# Altium PCB 0020-03_FFT2G.PcbDoc (part 1 of 16) (continued)
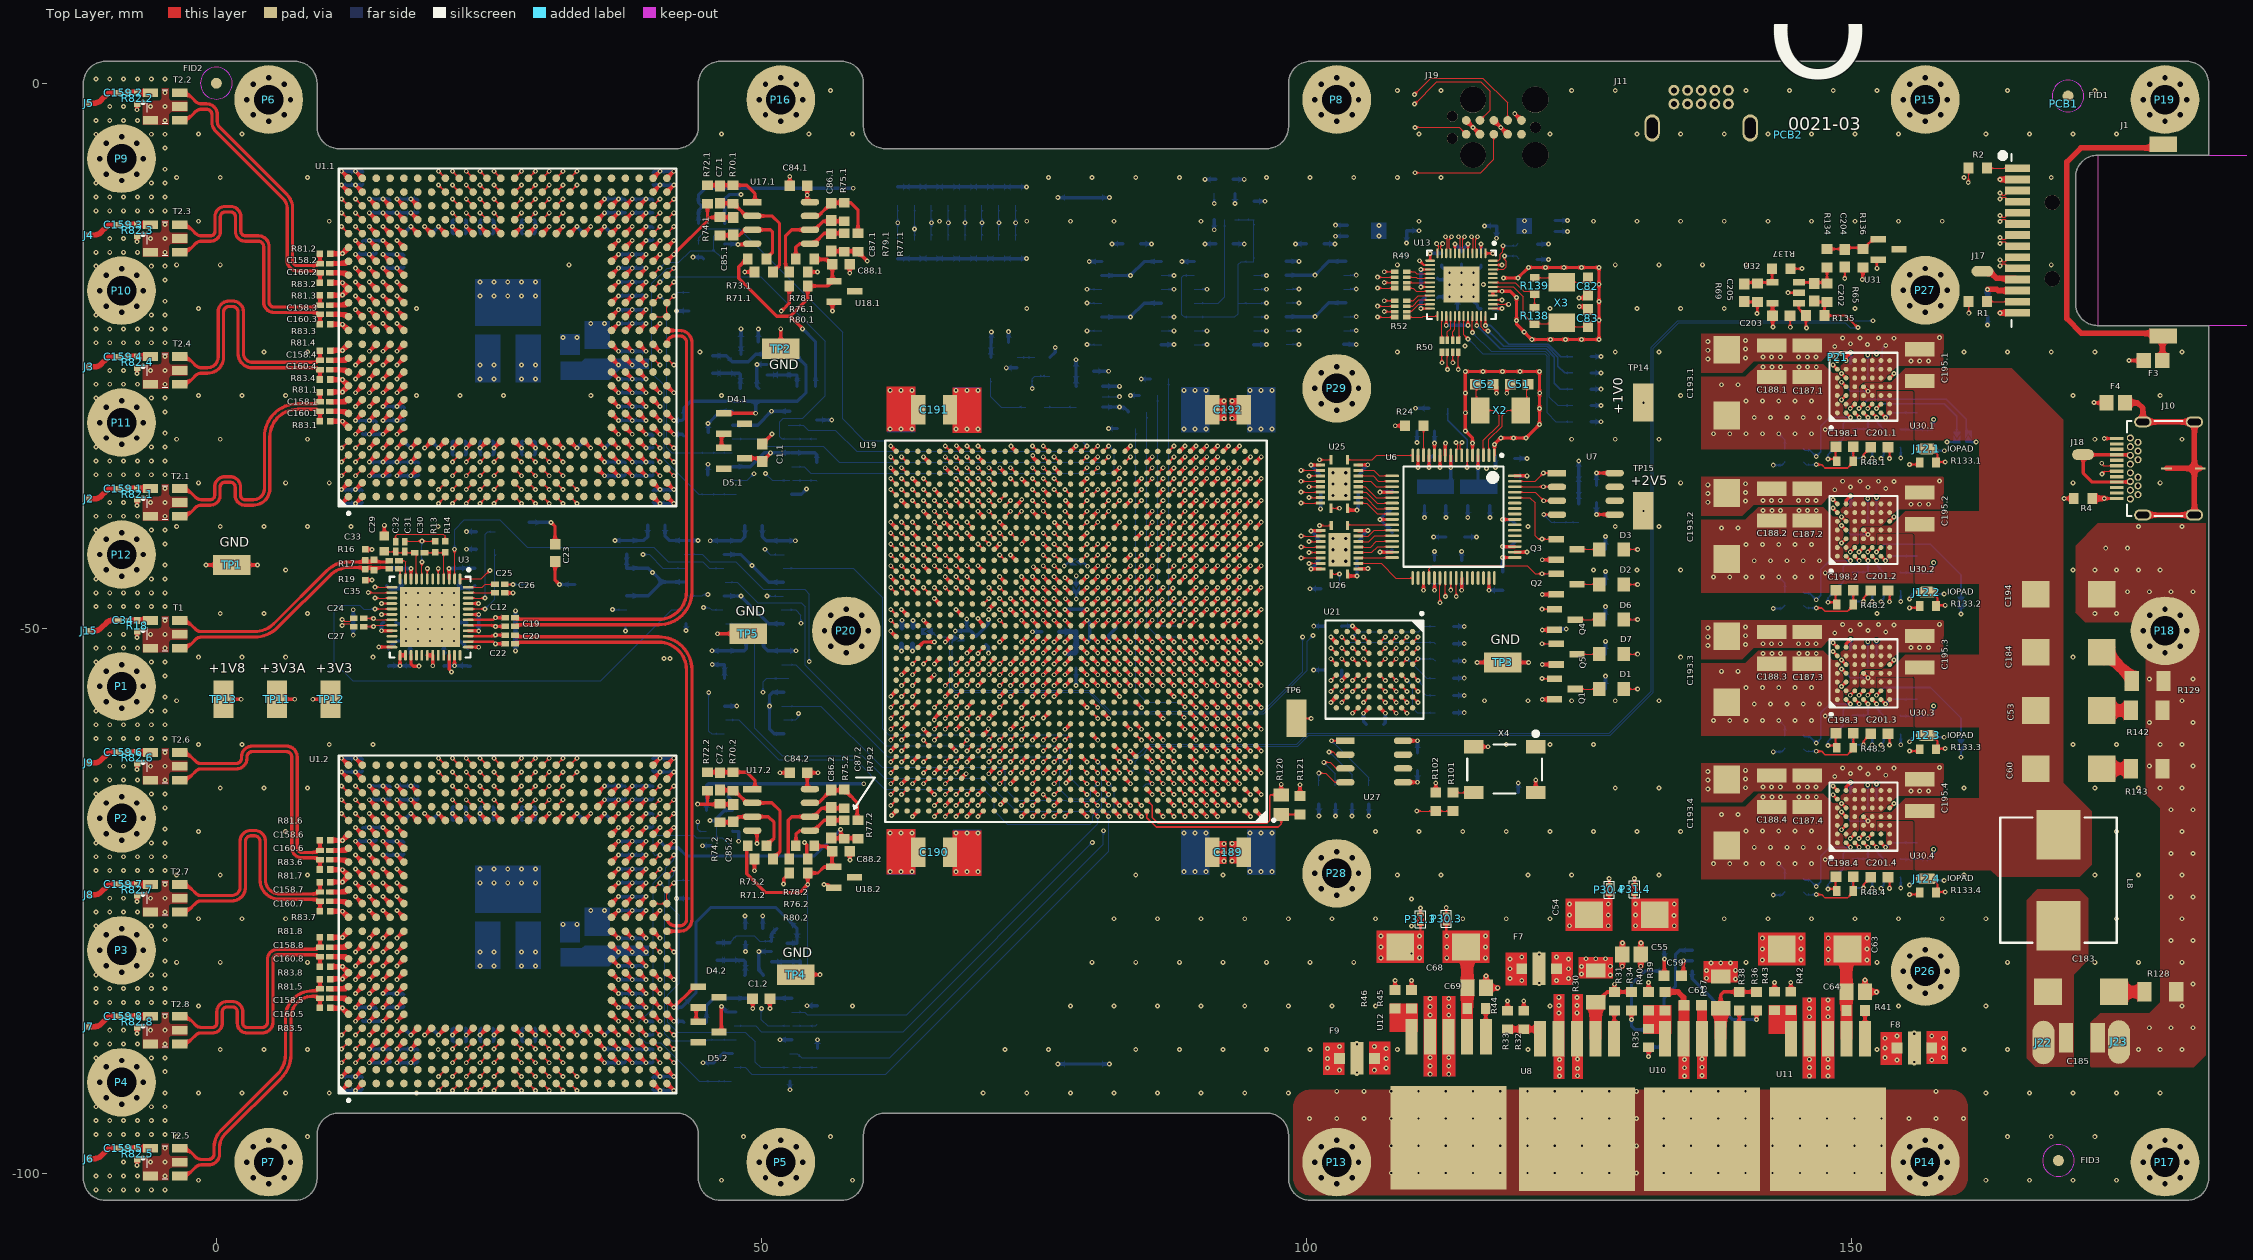
[diagram p0: Top Layer view]
## Classes and differential pairs (continued)
component class USB: C37 C38 C39 C40 C41 C42 C43 C44 C45 C46 C47 C48 C49 C50 C51 C52 D2 D3 F5 F6 Q2 Q3 R20 R21 R22 R23 R24 R25 R26 R27 R28 R29 U6 U7 X2
component class Clock: C8 C9 C10 C11 C12 C13 C14 C15 C16 C17 C18 C19 C20 C21 C22 C23 C24 C25 C26 C27 C28 C29 C30 C31 C32 C33 C34 C35 C36 D1 Q1 R5 R6 R7 R8 R9 R10 R11 R12 R13 R14 R15 R16 R17 R18 R19 T1 U2 U3 U4 U5 X1 Y41 Y42 Y43 Y44 Y45 Y46
component class FPGA_SPI: C176 C177 C178 C179 C180 C181 C182 R123 R124 R125 R126 R127 U25 U26 U27 U28 U29
component class FPGA_PWR: C169 C170 C171 C172 C173 C174 C175 C189 C190 C191 C192 F1 F2
component class FPGA_CONFIG: C161 C162 C163 C164 C165 C166 C167 C168 D6 D7 J19 Q4 Q5 R100 R101 R102 R103 R104 R105 R106 R107 R108 R109 R110 R111 R112 R113 R114 R115 R116 R117 R118 R119 TP6 U20 U21 U22 U23 U24 X4
component class ADC_CURRENT_PUMP2: C4.2 C5.2 C6.2 C7.2 C84.2 C85.2 C86.2 C87.2 C88.2 R65.2 R66.2 R67.2 R68.2 R69.2 R70.2 R71.2 R72.2 R73.2 R74.2 R75.2 R76.2 R77.2 R78.2 R79.2 R80.2 U16.2 U17.2 U18.2
component class ADC_CURRENT_PUMP1: C4.1 C5.1 C6.1 C7.1 C84.1 C85.1 C86.1 C87.1 C88.1 R65.1 R66.1 R67.1 R68.1 R69.1 R70.1 R71.1 R72.1 R73.1 R74.1 R75.1 R76.1 R77.1 R78.1 R79.1 R80.1 U16.1 U17.1 U18.1
component class ADC_INPUT_BIAS12: C158.5 C159.5 C160.5 R81.5 R82.5 R83.5 T2.5
component class ADC_INPUT_BIAS22: C158.6 C159.6 C160.6 R81.6 R82.6 R83.6 T2.6
component class ADC_INPUT_BIAS42: C158.8 C159.8 C160.8 R81.8 R82.8 R83.8 T2.8
component class ADC_INPUT_BIAS32: C158.7 C159.7 C160.7 R81.7 R82.7 R83.7 T2.7
component class ADC_INPUT_BIAS11: C158.1 C159.1 C160.1 R81.1 R82.1 R83.1 T2.1
component class ADC_INPUT_BIAS21: C158.2 C159.2 C160.2 R81.2 R82.2 R83.2 T2.2
component class ADC_INPUT_BIAS31: C158.3 C159.3 C160.3 R81.3 R82.3 R83.3 T2.3
component class ADC_INPUT_BIAS41: C158.4 C159.4 C160.4 R81.4 R82.4 R83.4 T2.4
component class "[1] 0020-03_FFT2G - Top": F3 F4 FID1 FID2 FID3 J1 J2 J3 J4 J5 J6 J7 J8 J9 J10 J11 J15 J17 J18 J22 J23 P1 P2 P3 P4 P5 P6 P7 P8 P9 P10 P11 P12 P13 P14 P15 P16 P17 P18 P19 P20 P26 P27 P28 P29 PCB1 PCB2 R1 R2 R3 R4 REF1 REF2 REF3 REF4 TP1 TP2 TP3 TP4 TP5 TP7 TP8 TP9 TP10
component class Power-Filter-LDO: C54 C55 C56 C57 C58 C59 C61 C63 C64 C65 C66 C68 C69 C70 C71 C304 C305 C306 F7 F8 F9 R30 R31 R32 R33 R34 R35 R36 R37 R38 R39 R40 R41 R42 R43 R44 R45 R46 TP11 TP12 TP13 U8 U9 U10 U11 U12
differential pair ADC_SYNC: +ADC_SYNC_P -ADC_SYNC_N
differential pair ETH_D3: +ETH_D3_P -ETH_D3_N
differential pair ETH_D2: +ETH_D2_P -ETH_D2_N
differential pair ETH_D1: +ETH_D1_P -ETH_D1_N
differential pair ETH_D0: +ETH_D0_P -ETH_D0_N
differential pair SD.OR: +SD.OR_P -SD.OR_N
differential pair SD.DR: +SD.DR_P -SD.DR_N
differential pair SD.9: +SD.9_P -SD.9_N
differential pair SD.8: +SD.8_P -SD.8_N
differential pair SD.7: +SD.7_P -SD.7_N
differential pair SD.6: +SD.6_P -SD.6_N
differential pair SD.5: +SD.5_P -SD.5_N
differential pair SD.4: +SD.4_P -SD.4_N
differential pair SD.3: +SD.3_P -SD.3_N
differential pair SD.2: +SD.2_P -SD.2_N
differential pair SD.1: +SD.1_P -SD.1_N
differential pair SD.0: +SD.0_P -SD.0_N
differential pair SC.OR: +SC.OR_P -SC.OR_N
differential pair SC.DR: +SC.DR_P -SC.DR_N
differential pair SC.9: +SC.9_P -SC.9_N
differential pair SC.8: +SC.8_P -SC.8_N
differential pair SC.7: +SC.7_P -SC.7_N
differential pair SC.6: +SC.6_P -SC.6_N
differential pair SC.5: +SC.5_P -SC.5_N
differential pair SC.4: +SC.4_P -SC.4_N
differential pair SC.3: +SC.3_P -SC.3_N
differential pair SC.2: +SC.2_P -SC.2_N
differential pair SC.1: +SC.1_P -SC.1_N
differential pair SC.0: +SC.0_P -SC.0_N
differential pair SB.OR: +SB.OR_P -SB.OR_N
differential pair SB.DR: +SB.DR_P -SB.DR_N
differential pair SB.9: +SB.9_P -SB.9_N
differential pair SB.8: +SB.8_P -SB.8_N
differential pair SB.7: +SB.7_P -SB.7_N
differential pair SB.6: +SB.6_P -SB.6_N
differential pair SB.5: +SB.5_P -SB.5_N
differential pair SB.4: +SB.4_P -SB.4_N
differential pair SB.3: +SB.3_P -SB.3_N
differential pair SB.2: +SB.2_P -SB.2_N
differential pair SB.1: +SB.1_P -SB.1_N
differential pair SB.0: +SB.0_P -SB.0_N
differential pair SA.OR: +SA.OR_P -SA.OR_N
differential pair SA.DR: +SA.DR_P -SA.DR_N
differential pair SA.9: +SA.9_P -SA.9_N
differential pair SA.8: +SA.8_P -SA.8_N
differential pair SA.7: +SA.7_P -SA.7_N
differential pair SA.6: +SA.6_P -SA.6_N
differential pair SA.5: +SA.5_P -SA.5_N
differential pair SA.4: +SA.4_P -SA.4_N
differential pair SA.3: +SA.3_P -SA.3_N
differential pair SA.2: +SA.2_P -SA.2_N
differential pair SA.1: +SA.1_P -SA.1_N
differential pair SA.0: +SA.0_P -SA.0_N
differential pair ND.OR: +ND.OR_P -ND.OR_N
differential pair ND.DR: +ND.DR_P -ND.DR_N
differential pair ND.9: +ND.9_P -ND.9_N
differential pair ND.8: +ND.8_P -ND.8_N
differential pair ND.7: +ND.7_P -ND.7_N
differential pair ND.6: +ND.6_P -ND.6_N
differential pair ND.5: +ND.5_P -ND.5_N
differential pair ND.4: +ND.4_P -ND.4_N
differential pair ND.3: +ND.3_P -ND.3_N
differential pair ND.2: +ND.2_P -ND.2_N
differential pair ND.1: +ND.1_P -ND.1_N
differential pair ND.0: +ND.0_P -ND.0_N
differential pair NC.OR: +NC.OR_P -NC.OR_N
differential pair NC.DR: +NC.DR_P -NC.DR_N
differential pair NC.9: +NC.9_P -NC.9_N
differential pair NC.8: +NC.8_P -NC.8_N
differential pair NC.7: +NC.7_P -NC.7_N
differential pair NC.6: +NC.6_P -NC.6_N
differential pair NC.5: +NC.5_P -NC.5_N
differential pair NC.4: +NC.4_P -NC.4_N
differential pair NC.3: +NC.3_P -NC.3_N
differential pair NC.2: +NC.2_P -NC.2_N
differential pair NC.1: +NC.1_P -NC.1_N
differential pair NC.0: +NC.0_P -NC.0_N
differential pair NB.OR: +NB.OR_P -NB.OR_N
differential pair NB.DR: +NB.DR_P -NB.DR_N
differential pair NB.9: +NB.9_P -NB.9_N
differential pair NB.8: +NB.8_P -NB.8_N
differential pair NB.7: +NB.7_P -NB.7_N
differential pair NB.6: +NB.6_P -NB.6_N
differential pair NB.5: +NB.5_P -NB.5_N
differential pair NB.4: +NB.4_P -NB.4_N
differential pair NB.3: +NB.3_P -NB.3_N
differential pair NB.2: +NB.2_P -NB.2_N
differential pair NB.1: +NB.1_P -NB.1_N
differential pair NB.0: +NB.0_P -NB.0_N
differential pair NA.OR: +NA.OR_P -NA.OR_N
differential pair NA.DR: +NA.DR_P -NA.DR_N
differential pair NA.9: +NA.9_P -NA.9_N
differential pair NA.8: +NA.8_P -NA.8_N
differential pair NA.7: +NA.7_P -NA.7_N
differential pair NA.6: +NA.6_P -NA.6_N
differential pair NA.5: +NA.5_P -NA.5_N
differential pair NA.4: +NA.4_P -NA.4_N
differential pair NA.3: +NA.3_P -NA.3_N
differential pair NA.2: +NA.2_P -NA.2_N
differential pair NA.1: +NA.1_P -NA.1_N
differential pair NA.0: +NA.0_P -NA.0_N
differential pair ADC_INP.8: +ADC_INP.5_P -ADC_INP.5_N
differential pair ADC_INP.7: +ADC_INP.8_P -ADC_INP.8_N
differential pair ADC_INP.6: +ADC_INP.7_P -ADC_INP.7_N
differential pair ADC_INP.5: +ADC_INP.6_P -ADC_INP.6_N
differential pair ADC_INP.4: +ADC_INP.1_P -ADC_INP.1_N
differential pair ADC_INP.3: +ADC_INP.4_P -ADC_INP.4_N
differential pair ADC_INP.2: +ADC_INP.3_P -ADC_INP.3_N
differential pair ADC_INP.1: +ADC_INP.2_P -ADC_INP.2_N
differential pair _EXT_FS: +_EXT_FS_P -_EXT_FS_N
differential pair USB_D: +USB_D_P -USB_D_N
differential pair S_CLK: +S_CLK_P -S_CLK_N
differential pair N_CLK: +N_CLK_P -N_CLK_N
differential pair FPGA_CLK: +FPGA_CLK_P -FPGA_CLK_N

## Components (designator, comment, footprint, x,y, rotation, side; value= is the part's Value field where it differs from the comment)
C1.1 "100n 10% 50V X7R" CAPC1608X90N 50.081,-33.914 r270 top (schematic designator C1)
C1.2 "100n 10% 50V X7R" CAPC1608X90N 49.992,-84.004 r0 top (schematic designator C1)
C2.1 "100n 10% 50V X7R" CAPC1608X90N 45.369,-11.317 r0 bottom (schematic designator C2)
C2.2 "100n 10% 50V X7R" CAPC1608X90N 46.169,-65.34 r0 bottom (schematic designator C2)
C3.1 "1n0 10% 50V C0G" CAPC1608X90N 42.898,-31.57 r90 bottom (schematic designator C3)
C3.2 "1n0 10% 50V C0G" CAPC1608X90N 42.898,-85.384 r90 bottom (schematic designator C3)
C4.1 "1n0 10% 50V C0G" CAPC1608X90N 51.958,-25.849 r270 bottom (schematic designator C4)
C4.2 "1n0 10% 50V C0G" CAPC1608X90N 52.358,-79.705 r270 bottom (schematic designator C4)
C5.1 "100n 10% 50V X7R" CAPC1608X90N 48.931,-23.714 r180 bottom (schematic designator C5)
C5.2 "100n 10% 50V X7R" CAPC1608X90N 49.331,-77.57 r180 bottom (schematic designator C5)
C6.1 "1n0 10% 50V C0G" CAPC1608X90N 45.531,-25.814 r270 bottom (schematic designator C6)
C6.2 "1n0 10% 50V C0G" CAPC1608X90N 45.931,-79.67 r270 bottom (schematic designator C6)
C7.1 "1n0 10% 50V C0G" CAPC1608X90N 46.215,-10.214 r270 top (schematic designator C7)
C7.2 "1n0 10% 50V C0G" CAPC1608X90N 46.215,-64.07 r270 top (schematic designator C7)
C8 "100n 10% 50V X7R" CAPC1608X90N 23.72,-45.295 r90 bottom
C9 "100n 10% 50V X7R" CAPC1608X90N 15.613,-45.299 r90 bottom
C10 "100n 10% 50V X7R" CAPC1608X90N 23.055,-52.652 r270 bottom
C11 "100n 10% 50V X7R" CAPC1608X90N 15.796,-52.687 r270 bottom
C12 "100n 10% 50V X7R" CAPC1005X55L 26.95,-49.041 r180 top
C13 "220p 10% 50V C0G" CAPC1005X55N 16.99,-45.045 r90 bottom
C14 "220p 10% 50V C0G" CAPC1005X55N 23.526,-49.505 r0 bottom
C15 "220p 10% 50V C0G" CAPC1005X55N 20.876,-52.937 r270 bottom
C16 "220p 10% 50V C0G" CAPC1005X55N 17.777,-52.937 r270 bottom
C17 "220p 10% 50V C0G" CAPC1005X55N 15.906,-49.473 r180 bottom
C18 "220p 10% 50V C0G" CAPC1005X55N 22.273,-45.045 r90 bottom
C19 "100n 10% 50V X7R" CAPC1005X55L 26.95,-49.841 r180 top
C20 "100n 10% 50V X7R" CAPC1005X55L 26.95,-50.641 r180 top
C21 "100n 10% 50V X7R" CAPC1608X90N 40.373,-40.564 r180 bottom
C22 "100n 10% 50V X7R" CAPC1005X55L 26.95,-51.441 r180 top
C23 "100n 10% 50V X7R" CAPC1608X90N 31.081,-43.102 r90 top
C24 "100n 10% 50V X7R" CAPC1005X55L 13.06,-49.11 r0 top
C25 "100n 10% 50V X7R" CAPC1005X55L 26.018,-45.994 r0 top
C26 "100n 10% 50V X7R" CAPC1005X55L 26.018,-46.759 r0 top
C27 "100n 10% 50V X7R" CAPC1005X55L 13.06,-49.855 r0 top
C28 "100n 10% 50V X7R" CAPC1608X90N 49.41,-50.912 r180 bottom
C29 "220n 10% 6.3V X7R" CAPC1608X90L 15.408,-42.25 r90 top
C30 "270p 10% 50V C0G" CAPC1005X55L 18.648,-43.073 r180 top
C31 "120p 10% 50V C0G" CAPC1005X55L 17.276,-42.523 r90 top
C32 "3n9 10% 50V X7R" CAPC1005X55L 16.438,-42.523 r270 top
C33 "ATC530L" CAPC1005X06L 16.312,-43.826 r0 top
C34 "ATC530L" CAPC1005X06L -8.55,-49.3 r0 top
C35 "ATC530L" CAPC1005X06L 16.312,-44.541 r0 top
C36 "100n 10% 50V X7R" CAPC1608X90N 49.289,-40.611 r180 bottom
C37 "100n 10% 50V X7R" CAPC1608X90N 107.89,-38.179 r270 bottom
C38 "100n 10% 50V X7R" CAPC1608X90N 107.891,-42.025 r90 bottom
C39 "100n 10% 50V X7R" CAPC1608X90N 114.266,-44.6 r90 bottom
C40 "100n 10% 50V X7R" CAPC1608X90N 119.167,-41.246 r270 bottom
C41 "4u7 10% 10V X7R" CAPC2012X145N 113.664,-41.635 r180 bottom
C42 "100n 10% 50V X7R" CAPC1608X90N 110.973,-31.913 r180 bottom
C43 "100n 10% 50V X7R" CAPC1608X90N 119.141,-35.225 r90 bottom
C44 "100n 10% 50V X7R" CAPC1608X90N 111.766,-44.6 r90 bottom
C45 "4u7 10% 10V X7R" CAPC2012X145N 118.026,-45.692 r90 bottom
C46 "4u7 10% 10V X7R" CAPC2012X145N 116.853,-37.894 r90 bottom
C47 "100n 10% 50V X7R" CAPC1608X90N 116.566,-34.15 r180 bottom
C48 "4u7 10% 10V X7R" CAPC2012X145N 112.814,-37.894 r90 bottom
C49 "100n 10% 50V X7R" CAPC1608X90N 112.466,-34.15 r0 bottom
C50 "100n 10% 50V X7R" CAPC1608X90N 126.632,-37.679 r90 bottom
C51 "27p 10% 50V C0G" CAPC1608X90N 119.55,-27.625 r0 top
C52 "27p 10% 50V C0G" CAPC1608X90N 116.325,-27.625 r180 top
C53 "330u 20% 16V" CAPMP7343X43N 169.967,-57.55 r0 top
C54 "330u 20% 16V" CAPMP7343X43N 128.964,-76.309 r0 top
C55 "10u 10% 6.3V X7R" CAPC2012X145N 129.853,-79.951 r0 top
C56 "10n 10% 50V X7R" CAPC1608X90N 131.419,-87.652 r270 bottom
C57 "100n 10% 50V X7R" CAPC1608X90N 124.028,-88.4 r0 bottom
C58 "10u 10% 6.3V X7R" CAPC2012X145N 123.978,-86.525 r0 bottom
C59 "100n 10% 50V X7R" CAPC1608X90N 133.637,-81.9 r180 top
C60 "330u 20% 16V" CAPMP7343X43N 169.967,-62.907 r0 top
C61 "100n 10% 50V X7R" CAPC1608X90N 135.453,-84.6 r0 top
C63 "330u 20% 16V" CAPMP7343X43N 146.653,-79.45 r180 top
C64 "10u 10% 6.3V X7R" CAPC2012X145N 150.414,-83.375 r0 top
C65 "100n 10% 50V X7R" CAPC1608X90N 147.026,-86.671 r180 bottom
C66 "10u 10% 6.3V X7R" CAPC2012X145N 147.014,-88.335 r0 bottom
C68 "330u 20% 16V" CAPMP7343X43N 111.65,-79.25 r180 top
C69 "10u 10% 6.3V X7R" CAPC2012X145N 115.65,-83 r0 top
C70 "100n 10% 50V X7R" CAPC1608X90N 112.215,-86.511 r180 bottom
C71 "10u 10% 6.3V X7R" CAPC2012X145N 112.225,-88.175 r0 bottom
C72 "4u7 10% 10V X7R" CAPC2012X145N 104.628,-13.533 r0 bottom
C73 "33n 10% 50V X7R" CAPC1005X55N 111.494,-19.709 r0 bottom
C74 "4u7 10% 10V X7R" CAPC2012X145N 122.025,-13.1 r180 bottom
C75 "33n 10% 50V X7R" CAPC1005X55N 111.494,-17.886 r0 bottom
C76 "33n 10% 50V X7R" CAPC1005X55N 113.875,-21.263 r90 bottom
C77 "33n 10% 50V X7R" CAPC1005X55N 116.571,-20.686 r180 bottom
C78 "33n 10% 50V X7R" CAPC1005X55N 112.446,-16.161 r270 bottom
C79 "33n 10% 50V X7R" CAPC1005X55N 116.046,-16.161 r270 bottom
C80 "33n 10% 50V X7R" CAPC1005X55N 114.246,-16.035 r270 bottom
C81 "10n 10% 50V X7R" CAPC1608X90N 120.3,-16.1 r0 bottom
C82 "18p 10% 50V C0G" CAPC1608X90N 125.85,-18.65 r90 top
C83 "18p 10% 50V C0G" CAPC1608X90N 125.85,-21.55 r270 top
C84.1 "100n 10% 50V X7R" CAPC1608X90N 53.415,-9.414 r0 top (schematic designator C84)
C84.2 "100n 10% 50V X7R" CAPC1608X90N 53.415,-63.27 r0 top (schematic designator C84)
C85.1 "1n0 10% 50V C0G" CAPC1608X90N 47.415,-13.114 r270 top (schematic designator C85)
C85.2 "1n0 10% 50V C0G" CAPC1608X90N 47.415,-66.97 r270 top (schematic designator C85)
C86.1 "1n0 10% 50V C0G" CAPC1608X90N 56.415,-11.814 r270 top (schematic designator C86)
C86.2 "1n0 10% 50V C0G" CAPC1608X90N 56.415,-65.67 r270 top (schematic designator C86)
C87.1 "1n0 10% 50V C0G" CAPC1608X90N 56.415,-14.614 r90 top (schematic designator C87)
C87.2 "1n0 10% 50V C0G" CAPC1608X90N 56.415,-68.47 r90 top (schematic designator C87)
C88.1 "100n 10% 50V X7R" CAPC1608X90N 57.315,-16.614 r180 top (schematic designator C88)
C88.2 "100n 10% 50V X7R" CAPC1608X90N 57.315,-70.47 r180 top (schematic designator C88)
C89.1 "10u 20% 25V" CAPMP3528X21N 28.618,-22.668 r90 bottom (schematic designator C89)
C89.2 "10u 20% 25V" CAPMP3528X21N 28.618,-76.524 r90 bottom (schematic designator C89)
C90.1 "33n 10% 50V X7R" CAPC1005X55L 12.133,-8.706 r270 bottom (schematic designator C90)
C90.2 "33n 10% 50V X7R" CAPC1005X55L 13.398,-62.58 r270 bottom (schematic designator C90)
C91.1 "33n 10% 50V X7R" CAPC1005X55L 14.673,-11.28 r90 bottom (schematic designator C91)
C91.2 "33n 10% 50V X7R" CAPC1005X55L 14.673,-65.111 r90 bottom (schematic designator C91)
C92.1 "33n 10% 50V X7R" CAPC1005X55L 40.068,-8.74 r270 bottom (schematic designator C92)
C92.2 "33n 10% 50V X7R" CAPC1005X55L 40.048,-62.52 r270 bottom (schematic designator C92)
C93.1 "33n 10% 50V X7R" CAPC1005X55L 40.073,-11.305 r90 bottom (schematic designator C93)
C93.2 "33n 10% 50V X7R" CAPC1005X55L 40.068,-65.086 r90 bottom (schematic designator C93)
C94.1 "33n 10% 50V X7R" CAPC1005X55L 40.073,-37.924 r90 bottom (schematic designator C94)
C94.2 "33n 10% 50V X7R" CAPC1005X55L 40.048,-91.787 r90 bottom (schematic designator C94)
C95.1 "33n 10% 50V X7R" CAPC1005X55L 40.073,-35.376 r270 bottom (schematic designator C95)
C95.2 "33n 10% 50V X7R" CAPC1005X55L 40.073,-89.247 r270 bottom (schematic designator C95)
C96.1 "33n 10% 50V X7R" CAPC1005X55L 13.403,-37.929 r90 bottom (schematic designator C96)
C96.2 "33n 10% 50V X7R" CAPC1005X55L 13.403,-91.772 r90 bottom (schematic designator C96)
C97.1 "33n 10% 50V X7R" CAPC1005X55L 14.673,-35.402 r270 bottom (schematic designator C97)
C97.2 "33n 10% 50V X7R" CAPC1005X55L 14.673,-89.241 r270 bottom (schematic designator C97)
C98.1 "33n 10% 50V X7R" CAPC1005X55L 15.929,-16.334 r90 bottom (schematic designator C98)
C98.2 "33n 10% 50V X7R" CAPC1005X55L 13.403,-68.896 r90 bottom (schematic designator C98)
C99.1 "33n 10% 50V X7R" CAPC1005X55L 14.673,-15.039 r90 bottom (schematic designator C99)
C99.2 "33n 10% 50V X7R" CAPC1005X55L 14.673,-68.896 r90 bottom (schematic designator C99)
C100.1 "33n 10% 50V X7R" CAPC1005X55L 14.673,-31.617 r270 bottom (schematic designator C100)
C100.2 "33n 10% 50V X7R" CAPC1005X55L 14.673,-85.456 r270 bottom (schematic designator C100)
C101.1 "33n 10% 50V X7R" CAPC1005X55L 15.943,-30.322 r270 bottom (schematic designator C101)
C101.2 "33n 10% 50V X7R" CAPC1005X55L 15.943,-84.175 r270 bottom (schematic designator C101)
C102.1 "33n 10% 50V X7R" CAPC1005X55L 38.803,-16.276 r90 bottom (schematic designator C102)
C102.2 "33n 10% 50V X7R" CAPC1005X55L 38.8,-70.191 r90 bottom (schematic designator C102)
C103.1 "33n 10% 50V X7R" CAPC1005X55L 38.803,-21.44 r90 bottom (schematic designator C103)
C103.2 "33n 10% 50V X7R" CAPC1005X55L 38.8,-75.271 r90 bottom (schematic designator C103)
C104.1 "33n 10% 50V X7R" CAPC1005X55L 38.803,-18.892 r270 bottom (schematic designator C104)
C104.2 "33n 10% 50V X7R" CAPC1005X55L 38.803,-72.728 r270 bottom (schematic designator C104)
C105.1 "33n 10% 50V X7R" CAPC1005X55L 38.803,-27.764 r90 bottom (schematic designator C105)
C105.2 "33n 10% 50V X7R" CAPC1005X55L 38.803,-81.621 r90 bottom (schematic designator C105)
C106.1 "33n 10% 50V X7R" CAPC1005X55L 38.803,-30.262 r270 bottom (schematic designator C106)
C106.2 "33n 10% 50V X7R" CAPC1005X55L 38.8,-84.135 r270 bottom (schematic designator C106)
C107.1 "33n 10% 50V X7R" CAPC1005X55L 28.618,-32.84 r180 bottom (schematic designator C107)
C107.2 "33n 10% 50V X7R" CAPC1005X55L 28.683,-86.701 r180 bottom (schematic designator C107)
C108.1 "33n 10% 50V X7R" CAPC1005X55L 24.816,-32.84 r0 bottom (schematic designator C108)
C108.2 "33n 10% 50V X7R" CAPC1005X55L 24.833,-86.701 r0 bottom (schematic designator C108)
C109.1 "33n 10% 50V X7R" CAPC1005X55L 22.276,-32.84 r0 bottom (schematic designator C109)
C109.2 "33n 10% 50V X7R" CAPC1005X55L 22.318,-86.7 r0 bottom (schematic designator C109)
C110.1 "33n 10% 50V X7R" CAPC1005X55L 28.609,-12.518 r180 bottom (schematic designator C110)
C110.2 "33n 10% 50V X7R" CAPC1005X55L 28.618,-66.381 r180 bottom (schematic designator C110)
C111.1 "33n 10% 50V X7R" CAPC1005X55L 24.816,-12.518 r0 bottom (schematic designator C111)
C111.2 "33n 10% 50V X7R" CAPC1005X55L 24.833,-66.381 r0 bottom (schematic designator C111)
C112.1 "33n 10% 50V X7R" CAPC1005X55L 22.302,-12.518 r0 bottom (schematic designator C112)
C112.2 "33n 10% 50V X7R" CAPC1005X55L 22.273,-66.381 r0 bottom (schematic designator C112)
C113.1 "220p 10% 50V C0G" CAPC1005X55L 13.454,-8.706 r270 bottom (schematic designator C113)
C113.2 "220p 10% 50V C0G" CAPC1005X55L 12.133,-62.58 r270 bottom (schematic designator C113)
C114.1 "220p 10% 50V C0G" CAPC1005X55L 15.929,-11.28 r90 bottom (schematic designator C114)
C114.2 "220p 10% 50V C0G" CAPC1005X55L 15.943,-65.111 r90 bottom (schematic designator C114)
C115.1 "220p 10% 50V C0G" CAPC1005X55L 41.343,-8.74 r270 bottom (schematic designator C115)
C115.2 "220p 10% 50V C0G" CAPC1005X55L 41.343,-62.52 r270 bottom (schematic designator C115)
C116.1 "220p 10% 50V C0G" CAPC1005X55L 38.803,-11.305 r90 bottom (schematic designator C116)
C116.2 "220p 10% 50V C0G" CAPC1005X55L 38.803,-65.086 r90 bottom (schematic designator C116)
C117.1 "220p 10% 50V C0G" CAPC1005X55L 41.343,-37.924 r90 bottom (schematic designator C117)
C117.2 "220p 10% 50V C0G" CAPC1005X55L 41.343,-91.787 r90 bottom (schematic designator C117)
C118.1 "220p 10% 50V C0G" CAPC1005X55L 38.803,-35.376 r270 bottom (schematic designator C118)
C118.2 "220p 10% 50V C0G" CAPC1005X55L 38.803,-89.247 r270 bottom (schematic designator C118)
C119.1 "220p 10% 50V C0G" CAPC1005X55L 12.133,-37.929 r90 bottom (schematic designator C119)
C119.2 "220p 10% 50V C0G" CAPC1005X55L 12.133,-91.772 r90 bottom (schematic designator C119)
C120.1 "220p 10% 50V C0G" CAPC1005X55L 15.943,-35.402 r270 bottom (schematic designator C120)
C120.2 "220p 10% 50V C0G" CAPC1005X55L 15.943,-89.241 r270 bottom (schematic designator C120)
C121.1 "220p 10% 50V C0G" CAPC1005X55L 17.202,-16.334 r90 bottom (schematic designator C121)
C121.2 "220p 10% 50V C0G" CAPC1005X55L 17.206,-70.191 r90 bottom (schematic designator C121)
C122.1 "220p 10% 50V C0G" CAPC1005X55L 13.398,-15.039 r90 bottom (schematic designator C122)
C122.2 "220p 10% 50V C0G" CAPC1005X55L 15.943,-70.191 r90 bottom (schematic designator C122)
C123.1 "220p 10% 50V C0G" CAPC1005X55L 13.403,-31.617 r270 bottom (schematic designator C123)
C123.2 "220p 10% 50V C0G" CAPC1005X55L 13.403,-85.456 r270 bottom (schematic designator C123)
C124.1 "220p 10% 50V C0G" CAPC1005X55L 17.238,-30.322 r270 bottom (schematic designator C124)
C124.2 "220p 10% 50V C0G" CAPC1005X55L 17.213,-84.175 r270 bottom (schematic designator C124)
C125.1 "220p 10% 50V C0G" CAPC1005X55L 37.533,-16.276 r90 bottom (schematic designator C125)
C125.2 "220p 10% 50V C0G" CAPC1005X55L 37.53,-70.191 r90 bottom (schematic designator C125)
C126.1 "220p 10% 50V C0G" CAPC1005X55L 37.533,-18.892 r270 bottom (schematic designator C126)
C126.2 "220p 10% 50V C0G" CAPC1005X55L 37.53,-72.728 r270 bottom (schematic designator C126)
C127.1 "220p 10% 50V C0G" CAPC1005X55L 37.533,-21.44 r90 bottom (schematic designator C127)
C127.2 "220p 10% 50V C0G" CAPC1005X55L 37.53,-75.271 r90 bottom (schematic designator C127)
C128.1 "220p 10% 50V C0G" CAPC1005X55L 37.533,-27.764 r90 bottom (schematic designator C128)
C128.2 "220p 10% 50V C0G" CAPC1005X55L 37.533,-81.621 r90 bottom (schematic designator C128)
C129.1 "220p 10% 50V C0G" CAPC1005X55L 37.533,-30.262 r270 bottom (schematic designator C129)
C129.2 "220p 10% 50V C0G" CAPC1005X55L 37.533,-84.135 r270 bottom (schematic designator C129)
C130.1 "220p 10% 50V C0G" CAPC1005X55L 40.068,-32.862 r270 bottom (schematic designator C130)
C130.2 "220p 10% 50V C0G" CAPC1005X55L 40.068,-86.7 r270 bottom (schematic designator C130)
C131.1 "220p 10% 50V C0G" CAPC1005X55L 28.618,-34.123 r180 bottom (schematic designator C131)
C131.2 "220p 10% 50V C0G" CAPC1005X55L 28.683,-87.971 r180 bottom (schematic designator C131)
C132.1 "220p 10% 50V C0G" CAPC1005X55L 24.816,-34.123 r0 bottom (schematic designator C132)
C132.2 "220p 10% 50V C0G" CAPC1005X55L 24.833,-87.971 r0 bottom (schematic designator C132)
C133.1 "220p 10% 50V C0G" CAPC1005X55L 22.276,-34.123 r0 bottom (schematic designator C133)
C133.2 "220p 10% 50V C0G" CAPC1005X55L 22.318,-87.971 r0 bottom (schematic designator C133)
C134.1 "220p 10% 50V C0G" CAPC1005X55L 28.609,-13.803 r180 bottom (schematic designator C134)
C134.2 "220p 10% 50V C0G" CAPC1005X55L 28.618,-67.651 r180 bottom (schematic designator C134)
C135.1 "220p 10% 50V C0G" CAPC1005X55L 24.816,-13.803 r0 bottom (schematic designator C135)
C135.2 "220p 10% 50V C0G" CAPC1005X55L 24.833,-67.651 r0 bottom (schematic designator C135)
C136.1 "220p 10% 50V C0G" CAPC1005X55L 22.302,-13.803 r0 bottom (schematic designator C136)
C136.2 "220p 10% 50V C0G" CAPC1005X55L 22.273,-67.651 r0 bottom (schematic designator C136)
C137.1 "220p 10% 50V C0G" CAPC1005X55L 40.068,-13.82 r90 bottom (schematic designator C137)
C137.2 "220p 10% 50V C0G" CAPC1005X55L 40.068,-67.634 r90 bottom (schematic designator C137)
C138.1 "10u 20% 25V" CAPMP3528X21N 24.89,-22.668 r90 bottom (schematic designator C138)
C138.2 "10u 20% 25V" CAPMP3528X21N 24.89,-76.524 r90 bottom (schematic designator C138)
C139.1 "33n 10% 50V X7R" CAPC1005X55N 17.202,-11.28 r90 bottom (schematic designator C139)
C139.2 "33n 10% 50V X7R" CAPC1005X55N 17.213,-65.111 r90 bottom (schematic designator C139)
C140.1 "33n 10% 50V X7R" CAPC1005X55N 19.101,-13.803 r0 bottom (schematic designator C140)
C140.2 "33n 10% 50V X7R" CAPC1005X55N 16.573,-67.651 r180 bottom (schematic designator C140)
C141.1 "33n 10% 50V X7R" CAPC1005X55N 36.25,-11.305 r90 bottom (schematic designator C141)
C141.2 "33n 10% 50V X7R" CAPC1005X55N 36.263,-65.086 r90 bottom (schematic designator C141)
C142.1 "33n 10% 50V X7R" CAPC1005X55N 34.341,-13.803 r180 bottom (schematic designator C142)
C142.2 "33n 10% 50V X7R" CAPC1005X55N 34.353,-67.651 r180 bottom (schematic designator C142)
C143.1 "33n 10% 50V X7R" CAPC1005X55N 19.101,-32.84 r0 bottom (schematic designator C143)
C143.2 "33n 10% 50V X7R" CAPC1005X55N 19.113,-86.701 r0 bottom (schematic designator C143)
C144.1 "33n 10% 50V X7R" CAPC1005X55N 17.202,-35.402 r270 bottom (schematic designator C144)
C144.2 "33n 10% 50V X7R" CAPC1005X55N 17.213,-89.241 r270 bottom (schematic designator C144)
C145.1 "33n 10% 50V X7R" CAPC1005X55N 34.341,-32.84 r180 bottom (schematic designator C145)
C145.2 "33n 10% 50V X7R" CAPC1005X55N 34.353,-86.701 r180 bottom (schematic designator C145)
C146.1 "33n 10% 50V X7R" CAPC1005X55N 36.263,-35.376 r270 bottom (schematic designator C146)
C146.2 "33n 10% 50V X7R" CAPC1005X55N 36.25,-89.247 r270 bottom (schematic designator C146)
C147.1 "220p 10% 50V C0G" CAPC1005X55N 18.473,-11.28 r90 bottom (schematic designator C147)
C147.2 "220p 10% 50V C0G" CAPC1005X55N 18.508,-65.111 r90 bottom (schematic designator C147)
C148.1 "220p 10% 50V C0G" CAPC1005X55N 37.533,-11.305 r90 bottom (schematic designator C148)
C148.2 "220p 10% 50V C0G" CAPC1005X55N 37.533,-65.086 r90 bottom (schematic designator C148)
C149.1 "220p 10% 50V C0G" CAPC1005X55N 36.881,-13.803 r0 bottom (schematic designator C149)
C149.2 "220p 10% 50V C0G" CAPC1005X55N 36.893,-67.651 r0 bottom (schematic designator C149)
C150.1 "220p 10% 50V C0G" CAPC1005X55N 16.569,-13.803 r180 bottom (schematic designator C150)
C150.2 "220p 10% 50V C0G" CAPC1005X55N 19.113,-67.651 r0 bottom (schematic designator C150)
C151.1 "220p 10% 50V C0G" CAPC1005X55N 18.561,-35.402 r270 bottom (schematic designator C151)
C151.2 "220p 10% 50V C0G" CAPC1005X55N 18.473,-89.241 r270 bottom (schematic designator C151)
C152.1 "220p 10% 50V C0G" CAPC1005X55N 36.893,-32.84 r0 bottom (schematic designator C152)
C152.2 "220p 10% 50V C0G" CAPC1005X55N 36.893,-86.701 r0 bottom (schematic designator C152)
C153.1 "220p 10% 50V C0G" CAPC1005X55N 37.533,-35.376 r270 bottom (schematic designator C153)
C153.2 "220p 10% 50V C0G" CAPC1005X55N 37.533,-89.247 r270 bottom (schematic designator C153)
C154.1 "220p 10% 50V C0G" CAPC1005X55N 16.569,-32.84 r180 bottom (schematic designator C154)
C154.2 "220p 10% 50V C0G" CAPC1005X55N 16.573,-86.701 r180 bottom (schematic designator C154)
C155.1 "10u 20% 25V" CAPMP3528X21N 34.942,-24.798 r90 bottom (schematic designator C155)
C155.2 "10u 20% 25V" CAPMP3528X21N 34.942,-78.654 r90 bottom (schematic designator C155)
C156.1 "33n 10% 50V X7R" CAPC1005X55N 37.533,-25.191 r270 bottom (schematic designator C156)
C156.2 "33n 10% 50V X7R" CAPC1005X55N 37.533,-79.056 r270 bottom (schematic designator C156)
C157.1 "220p 10% 50V C0G" CAPC1005X55N 38.803,-25.191 r270 bottom (schematic designator C157)
C157.2 "220p 10% 50V C0G" CAPC1005X55N 38.8,-79.056 r270 bottom (schematic designator C157)
C158.1 "ATC530L" CAPC1005X06L 9.96,-29.246 r180 top (schematic designator C158)
C158.2 "ATC530L" CAPC1005X06L 9.96,-16.547 r180 top (schematic designator C158)
C158.3 "ATC530L" CAPC1005X06L 9.96,-20.357 r180 top (schematic designator C158)
C158.4 "ATC530L" CAPC1005X06L 9.96,-25.437 r180 top (schematic designator C158)
C158.5 "ATC530L" CAPC1005X06L 9.96,-83.103 r180 top (schematic designator C158)
C158.6 "ATC530L" CAPC1005X06L 9.96,-70.403 r180 top (schematic designator C158)
C158.7 "ATC530L" CAPC1005X06L 9.96,-74.213 r180 top (schematic designator C158)
C158.8 "ATC530L" CAPC1005X06L 9.96,-79.293 r180 top (schematic designator C158)
C159.1 "ATC530L" CAPC1005X06L -8.55,-37.193 r180 top (schematic designator C159)
C159.2 "ATC530L" CAPC1005X06L -8.55,-0.87 r180 top (schematic designator C159)
C159.3 "ATC530L" CAPC1005X06L -8.55,-12.978 r180 top (schematic designator C159)
C159.4 "ATC530L" CAPC1005X06L -8.55,-25.085 r180 top (schematic designator C159)
C159.5 "ATC530L" CAPC1005X06L -8.55,-97.725 r180 top (schematic designator C159)
C159.6 "ATC530L" CAPC1005X06L -8.55,-61.407 r180 top (schematic designator C159)
C159.7 "ATC530L" CAPC1005X06L -8.55,-73.514 r180 top (schematic designator C159)
C159.8 "ATC530L" CAPC1005X06L -8.55,-85.621 r180 top (schematic designator C159)
C160.1 "ATC530L" CAPC1005X06L 9.96,-30.097 r180 top (schematic designator C160)
C160.2 "ATC530L" CAPC1005X06L 9.96,-17.397 r180 top (schematic designator C160)
C160.3 "ATC530L" CAPC1005X06L 9.96,-21.207 r180 top (schematic designator C160)
C160.4 "ATC530L" CAPC1005X06L 9.96,-26.287 r180 top (schematic designator C160)
C160.5 "ATC530L" CAPC1005X06L 9.96,-83.953 r180 top (schematic designator C160)
C160.6 "ATC530L" CAPC1005X06L 9.96,-71.253 r180 top (schematic designator C160)
C160.7 "ATC530L" CAPC1005X06L 9.96,-75.063 r180 top (schematic designator C160)
C160.8 "ATC530L" CAPC1005X06L 9.96,-80.143 r180 top (schematic designator C160)
C161 "100n 10% 50V X7R" CAPC1608X90N 92.507,-14.74 r0 bottom
C162 "100n 10% 50V X7R" CAPC1608X90N 120.259,-65.087 r180 bottom
C163 "100n 10% 50V X7R" CAPC1608X90N 92.508,-8.818 r180 bottom
C164 "100n 10% 50V X7R" CAPC1608X90N 102.46,-53.837 r180 bottom
C165 "100n 10% 50V X7R" CAPC1608X90N 106.299,-58.839 r180 bottom
C166 "100n 10% 50V X7R" CAPC1608X90N 102.464,-49.822 r180 bottom
C167 "100n 10% 50V X7R" CAPC1608X90N 71.887,-23.785 r180 bottom
C168 "100n 10% 50V X7R" CAPC1608X90N 79.675,-26.427 r0 bottom
C169 "330u 20% 16V" CAPMP7343X43N 92.824,-70.572 r0 bottom
C170 "330u 20% 16V" CAPMP7343X43N 65.851,-70.572 r180 bottom
C171 "330u 20% 16V" CAPMP7343X43N 65.851,-29.957 r180 bottom
C172 "330u 20% 16V" CAPMP7343X43N 92.824,-29.957 r0 bottom
C173 "330u 20% 16V" CAPMP7343X43N 66.65,-50.725 r0 bottom
C174 "470n 10% 6.3V X7R" CAPC1608X90N 78.88,-49.503 r90 bottom
C175 "10n 10% 50V X7R" CAPC1608X90N 76.556,-50.328 r180 bottom
C176 "100n 10% 50V X7R" CAPC1608X90N 104.764,-36.794 r270 bottom
C177 "100n 10% 50V X7R" CAPC1608X90N 101.312,-42.819 r90 bottom
C178 "100n 10% 50V X7R" CAPC1608X90N 104.764,-42.81 r270 bottom
C179 "100n 10% 50V X7R" CAPC1608X90N 101.325,-36.794 r90 bottom